# Altium PCB 2-quilter-output.PcbDoc (part 3 of 26) (continued)
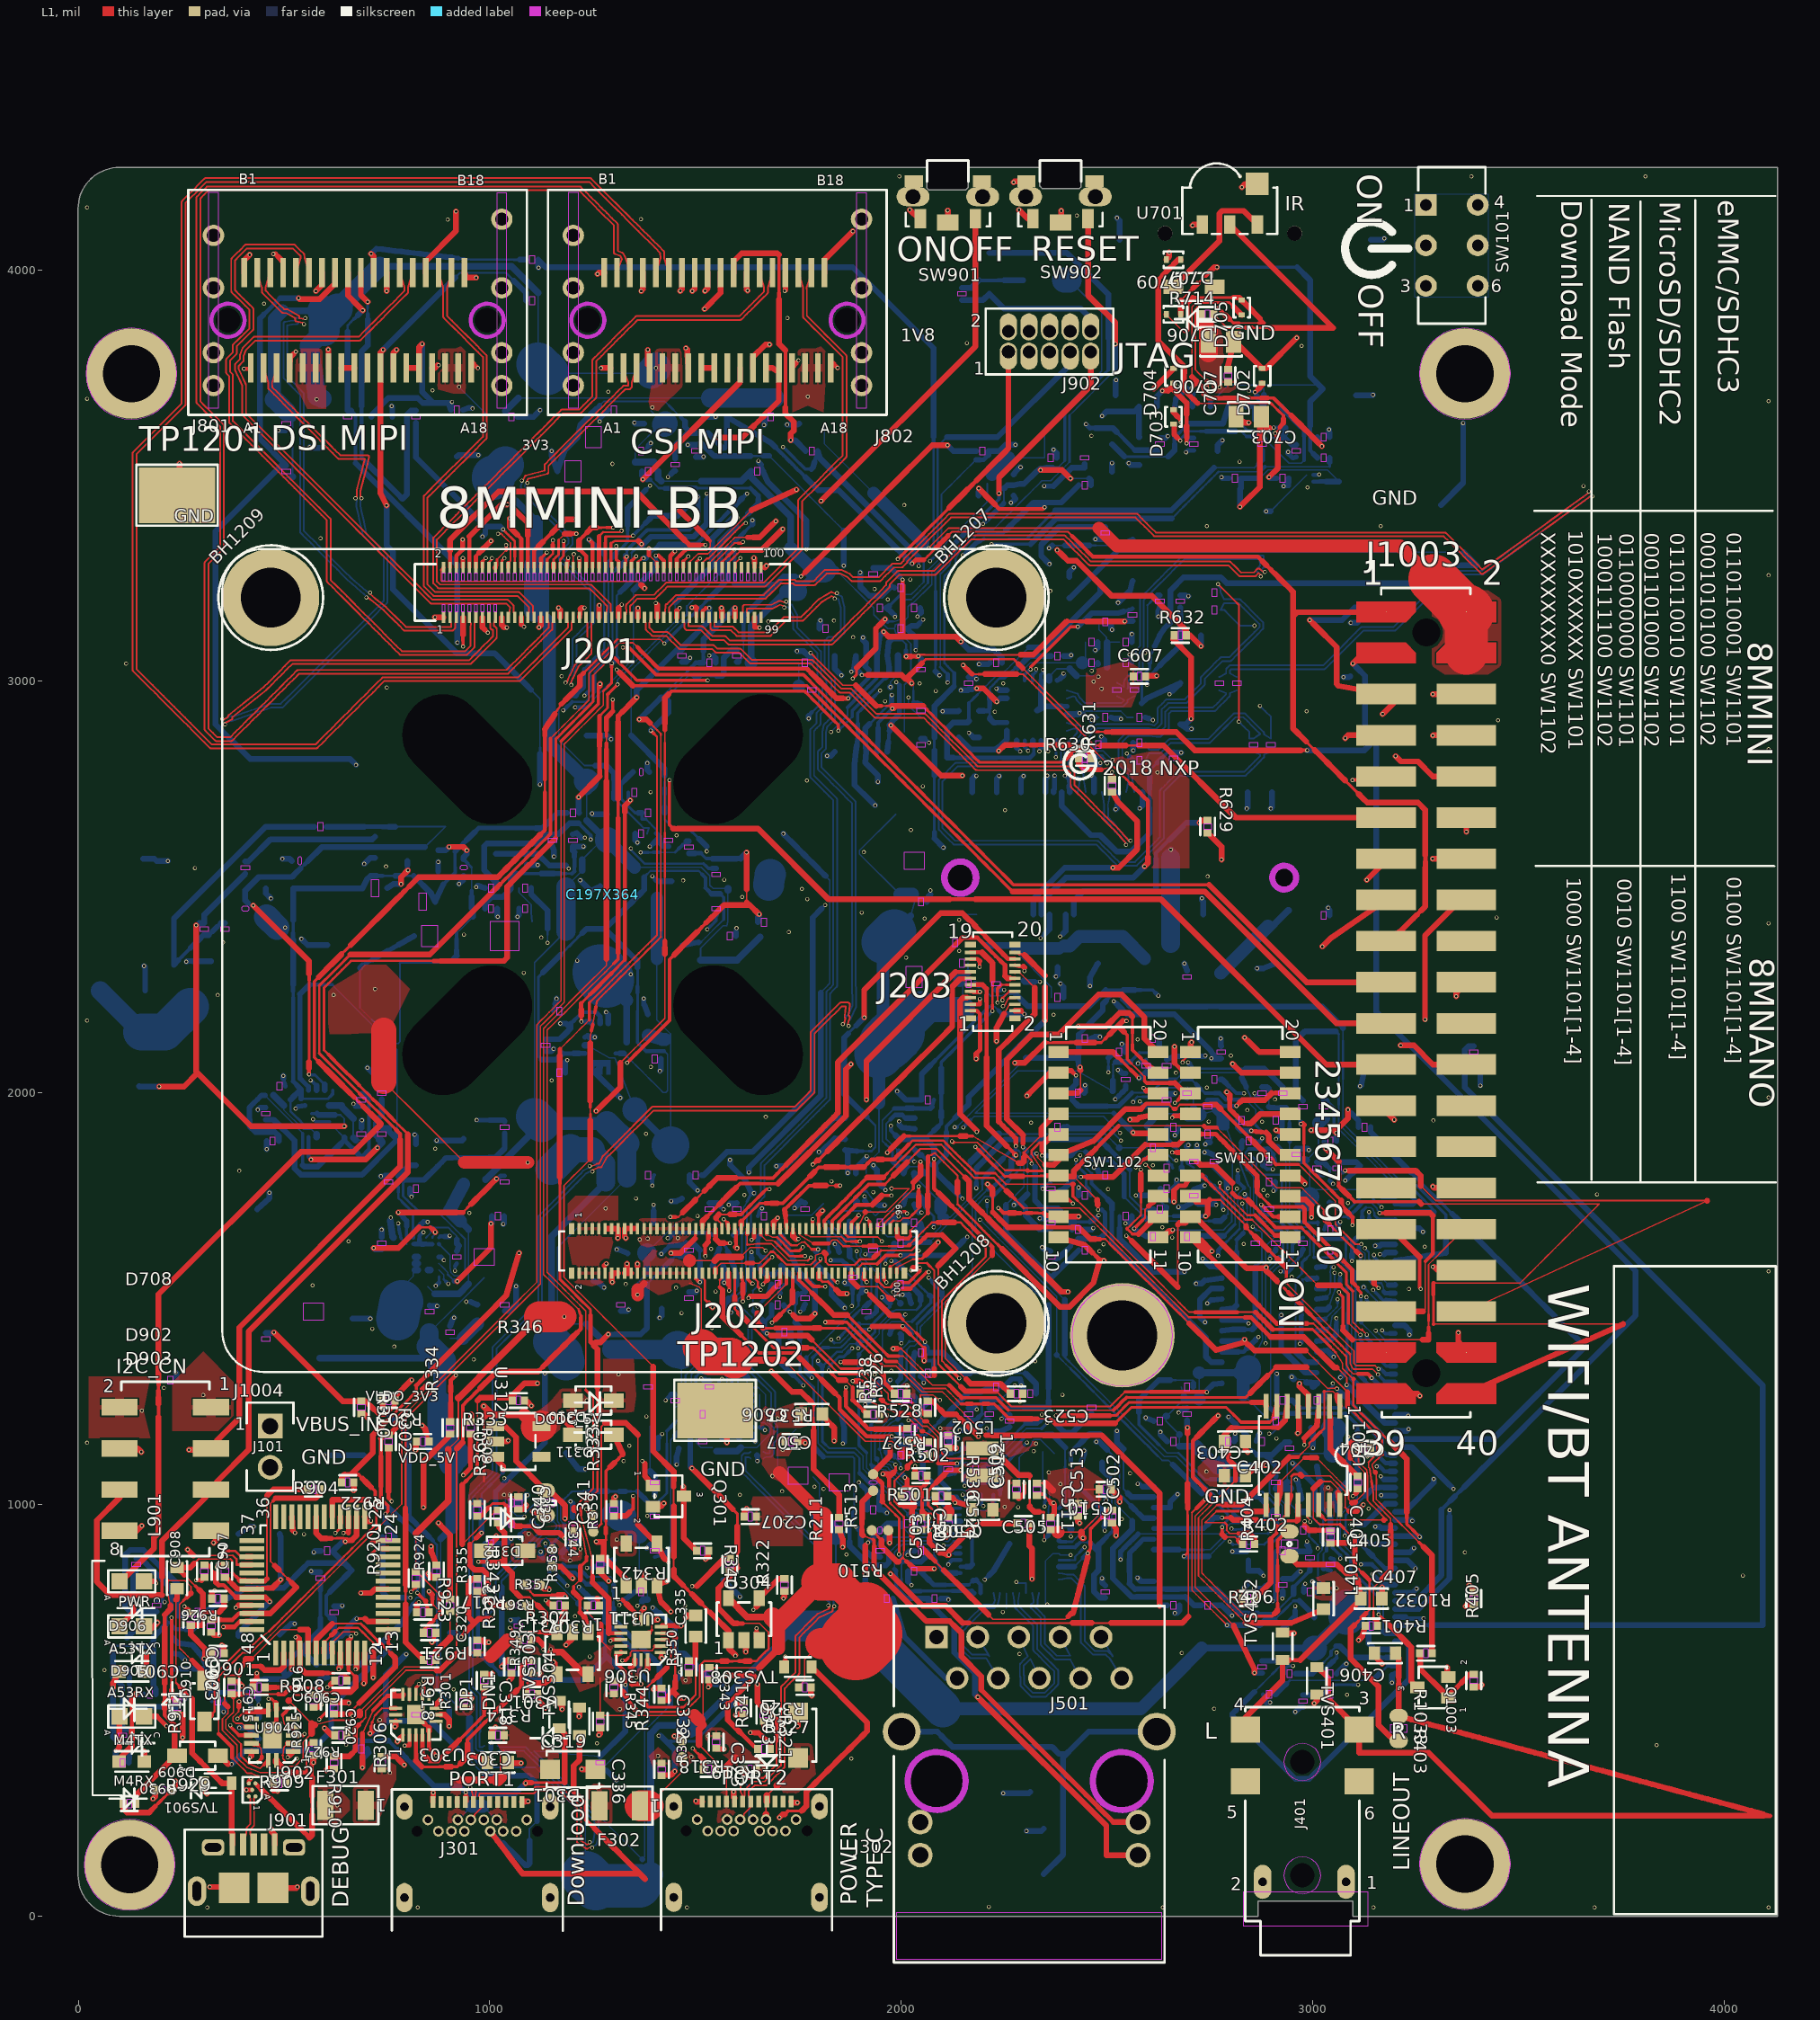
[diagram p0: L1 view]
## Nets (pads, with @x,y where several pads share a name; then routed paths per layer and width w, separated by ;. In a path a pad name is that pad's centre, name@x,y a point inside that pad or via, vN(x,y) a via of type N, cw(c..) or ccw(c..) an arc to the next point about the centre after c; other vN are vias at no path point) (continued)
  L3 w7.92: 2677.16,2080.6 v1(2684.16,2073.59)
  L3 w8.94: v1(1642.19,3299.93) 1653.17,3298.57 ; 1664.15,3297.2 1675.14,3295.84 ; 2211.93,2616.75 2222.91,2605.77 2233.89,2594.79 2244.87,2583.82 2255.84,2572.84 2266.82,2561.86 2277.8,2550.88 2288.78,2539.91 2299.76,2528.93 2310.73,2517.95 2321.71,2506.97 2332.69,2495.99 2343.67,2485.02 2354.64,2474.04 2365.62,2463.06 2376.6,2452.08 2387.58,2441.11 2398.56,2430.13 2409.53,2419.15 2420.51,2408.17 2431.49,2397.19 2442.47,2386.22 2453.44,2375.24 2464.42,2364.26 2475.4,2353.28 2486.38,2342.3 2497.36,2331.33 2508.33,2320.35 2519.31,2309.37 2530.29,2298.39 2541.27,2287.42 2552.24,2276.44 2563.22,2265.46
  L3 w10.99: 1653.17,3298.57 1664.15,3297.2 ; v1(2425.15,1837.07) 2425.74,1837.07 2431.62,1831.19 ; 2563.22,2265.46 2574.2,2254.48
  L3 w12.01: 2451.01,1846.6 2459.41,1855.01
  L3 w14.05: 2459.41,1855.01 2467.82,1863.41 2476.23,1871.82 2483.58,1879.18 2483.58,2056.73 2514.46,2087.6 2670.15,2087.6 2677.16,2080.6 ; 2574.2,2254.48 2585.18,2243.5 2596.16,2232.53 2607.13,2221.55 2618.11,2210.57 2629.09,2199.59 2640.07,2188.62 2651.04,2177.64 2662.02,2166.66 2673,2155.68 2683.98,2144.7 2694.96,2133.73 v1(2705.93,2122.75)
  L8 w4.85: 2425.15,1825.95 v1(2425.15,1837.07)
  L8 w6.9: 2425.15,1825.95 2433.52,1817.59 2441.88,1809.23 2450.24,1800.86 2450.24,1786.03 2450.24,1771.2
  L8 w8.94: 2456.91,1764.53 R1104.1@2461.2,1750.24
  L8 w10.99: 2450.24,1771.2 2456.91,1764.53
BOOT_MODE1: J201.100 R1106.1 SW1101.2 | length 2216.3
  L1 w9.96: J201.100@1659.46,3276.42 1668.84,3276.42 ; 2664.42,2072.49 2674.34,2062.57 SW1101.2@2684.26,2052.65
  L1 w14.05: 1668.84,3276.42 v1(1673.01,3280.59) ; 2664.42,2072.49 2664.42,2100.89 v1(2664.42,2112.18) ; SW1101.2@2684.26,2052.65 SW1101.2@2703.63,2048.79
  L6 w4.85: 1813.88,3280.59 1829.53,3280.59 1839.72,3270.4 1849.91,3260.2 1860.1,3250.01 1870.29,3239.82 1880.48,3229.63 1890.67,3219.44 1900.87,3209.25 1911.06,3199.06 1921.25,3188.87 1931.44,3178.68 1941.63,3168.48 1954.09,3168.48 1966.55,3168.48 1979.01,3168.48 1991.48,3168.48
  L6 w6.9: 1991.48,3168.48 2002.5,3157.46 2013.53,3146.43 2024.56,3135.4 2035.58,3124.38 2046.61,3113.35 2057.64,3102.32 2068.66,3091.3 2079.69,3080.27 2090.72,3069.24 2101.74,3058.22
  L6 w7.92: v1(2580.71,1979.02) 2590.9,1989.2
  L6 w13.03: 2101.74,3058.22 2117.34,3058.22 2132.94,3058.22 2148.54,3058.22 2164.14,3058.22 2179.74,3058.22
  L6 w14.05: v1(1673.01,3280.59) 1688.66,3280.59 1704.31,3280.59 1719.97,3280.59 1735.62,3280.59 1751.27,3280.59 1766.92,3280.59 1782.57,3280.59 1798.22,3280.59 1813.88,3280.59 ; 2179.74,3058.22 2195.34,3058.22 2196.58,3056.98 2197.4,3056.17 2216.11,3056.17 2273.17,2999.11 2273.17,2445.04 2306.2,2412 2438.03,2411.99 2605.88,2244.14 ; 2590.9,1989.2 2601.08,1999.39 2611.27,2009.58 2621.46,2019.77 2631.65,2029.96 2641.84,2040.14 2641.84,2129.66 2659.76,2147.58 ; 2605.87,2244.13 2605.87,2201.47 2659.76,2147.58 ; v1(2664.42,2112.18) 2664.42,2142.92 2659.76,2147.58
  L8 w7.92: v1(2580.71,1979.02) 2591.56,1968.16
  L8 w9.96: 2620.86,1968.16 R1106.1@2635.51,1968.16
  L8 w12.01: 2606.21,1968.16 2620.86,1968.16
  L8 w14.05: 2591.56,1968.16 2606.21,1968.16 ; R1106.1@2635.51,1968.16 R1106.1@2645.5,1967.92
BT_DEV_WAKE: J601.20
BYPASS1: C318.2 U303.4 | length 318.7
  L1 w7.92: 874.96,375.91 885.12,386.07 ; 925.74,426.68 935.89,436.83 946.04,446.99 956.19,457.14 966.35,467.29 976.5,477.45 986.65,487.6
  L1 w8.94: 853.33,377.72 855.89,375.16 865.17,375.16 874.22,375.16 874.96,375.9 ; 986.65,487.6 986.65,502.65
  L1 w9.96: U303.4@836.51,439.33 836.52,424.39 836.52,409.46 836.52,394.54 844.92,386.13
  L1 w12.01: 885.12,386.07 895.28,396.22
  L1 w14.05: 844.92,386.13 853.33,377.72 ; 895.28,396.22 905.43,406.38 915.58,416.53 925.74,426.68 ; 986.65,502.65 986.65,517.7 986.65,532.75 986.65,547.8 C318.2@986.65,556.79
BYPASS2: C332.2 R327.2 U306.4 | length 515.8
  L1 w5.87: 1451.2,583.66 1451.2,598.88 1451.2,614.11 1451.2,629.34 1451.2,644.56 1451.2,659.79 1451.2,675.01
  L1 w9.96: U306.4@1417.4,686.9 1428.34,686.91 1439.31,686.91
  L1 w10.99: 1434.31,523.58 1434.31,536.31 1436.14,538.14 1444.32,546.32 ; 1451.2,568.43 1451.2,583.66
  L1 w12.01: v1(1633.26,444.78) 1643.47,444.78
  L1 w13.03: 1439.31,686.91 1445.25,680.96 1451.2,675.01 ; 1643.47,444.78 1653.69,444.78 1662.98,435.49 ; 1672.27,426.2 1681.56,416.91
  L1 w14.05: C332.2@1417.95,523.58 1434.31,523.58 ; 1451.2,568.43 1451.2,553.21 1444.32,546.32 1461.66,528.98 v1(1471.98,528.98) ; 1662.98,435.49 1672.27,426.2 ; R327.2@1681.56,405.51 1681.56,416.91
  L6 w10.99: 1482.5,518.45 1493.03,507.93 1503.55,497.4 1514.08,486.88 1524.6,476.35 1535.13,465.83
  L6 w12.01: v1(1471.98,528.98) 1482.5,518.45
  L6 w14.05: 1535.13,465.83 1545.65,455.3 1556.18,444.78 v1(1633.26,444.78)
CLKIN1: J201.94
CLKIN2: J201.96
CLKO1: J202.40 J802.B8 R803.2 | length 3162.1
  L1 w4.85: J202.40@1517.03,1550.68 1523.08,1544.64 1523.08,1528.93
  L1 w5.87: J202.40@1517.03,1550.68 J202.40@1517.02,1561.94 ; 1523.08,1528.93 1523.08,1513.22 1523.08,1497.51 1532.42,1488.17
  L1 w14.05: v1(1492.57,3948.22) 1498.5,3954.16 J802.B8@1498.51,3993.5 ; 1532.42,1488.17 v1(1541.75,1478.83)
  L3 w7.92: 1653.36,3612.87 1653.36,3628.27
  L3 w9.96: 1653.36,3628.27 1653.36,3643.67
  L3 w10.99: 1527.79,3923.23 1538.25,3912.77
  L3 w12.01: 1538.25,3912.77 1548.72,3902.31
  L3 w14.05: v1(1492.57,3948.22) 1517.55,3923.23 1527.79,3923.23 ; 1548.72,3902.31 1559.18,3891.84 1569.65,3881.38 1580.11,3870.91 1590.57,3860.45 1601.04,3849.99 1611.5,3839.52 1621.96,3829.06 1632.43,3818.59 1642.89,3808.13 1653.36,3797.67 1653.36,3782.27 1653.36,3766.87 1653.36,3751.47 1653.36,3736.07 1653.36,3720.67 1653.36,3705.27 1653.36,3689.87 1653.36,3674.47 1653.36,3659.07 1653.36,3643.67 ; v1(1653.36,3535.87) 1653.36,3551.27 1653.36,3566.67 1653.36,3582.07 1653.36,3597.47 1653.36,3612.87 ; v1(1770.34,3320.66) 1884.37,3206.63 ; v1(1883.22,3106.85) 1884.38,3108.01 1884.38,3206.62
  L6 w3.5: 1871.99,2629.59 1882.59,2640.18 1893.19,2650.78 1893.19,2666.21 1893.19,2681.64 1893.19,2697.07 1893.19,2712.5 1893.19,2727.92 1893.19,2743.35 1893.19,2758.78 1893.19,2774.21 1893.19,2789.64 1893.19,2805.06 1893.19,2820.49 1893.19,2835.92 1893.19,2851.35 1893.19,2866.78 1893.19,2882.2 1893.19,2897.63 1893.19,2913.06 1893.19,2928.49 1893.19,2943.92 1893.19,2959.34 1893.19,2974.77 1893.19,2990.2 1893.19,3005.63 1893.19,3021.06 1893.19,3036.48
  L6 w5.87: 1488.15,1610.42 1499.13,1621.4 1510.11,1632.38 1521.08,1643.36 1532.06,1654.34 1543.04,1665.31 1543.04,1678.26 1543.04,1691.2 1543.04,1704.14 1543.04,1717.08 1543.04,1730.02
  L6 w6.9: 1543.04,1730.02 1554,1740.98 1564.96,1751.94 1575.91,1762.89 1586.87,1773.85 1597.83,1784.81 1608.78,1795.76 1619.74,1806.72 v1(1630.12,1806.72)
  L6 w13.03: 1535.79,1484.79 v1(1541.75,1478.83)
  L6 w14.05: 1488.15,1610.42 1488.15,1585.93 1529.18,1544.9 1529.18,1491.41 1535.79,1484.79 ; v1(1713.7,2629.59) 1871.99,2629.59 ; v1(1883.22,3106.85) 1883.22,3046.45 1893.19,3036.48
  L8 w3.83: 1804.48,2243.7 1815.61,2254.82 1826.73,2265.94 1826.73,2281.61 1826.73,2297.27 1826.73,2312.93 1826.73,2328.59 1826.73,2344.26 1826.73,2359.92 1826.73,2375.58 1826.73,2391.25 1826.73,2406.91 1826.73,2422.57 1826.73,2438.24 1826.73,2453.9 1826.73,2469.56 1826.73,2485.22 1826.73,2500.89 1826.73,2516.55 1816.46,2526.83
  L8 w7.92: v1@1653.36,3533.24 v1(1653.36,3535.87) ; v1(1770.34,3320.66) 1770.34,3330.47
  L8 w8.94: 1659.97,3526.62 R803.2@1662.53,3518.08
  L8 w10.99: R803.2@1662.53,3518.08 R803.2@1664.94,3510.04
  L8 w13.03: v1@1653.36,3533.24 1659.97,3526.62
  L8 w14.05: v1(1630.12,1806.72) 1630.12,1818.63 1804.48,1992.99 1804.48,2243.7 ; R803.2@1664.94,3510.04 1676.63,3484.04 1770.34,3390.34 1770.34,3340.28 1770.34,3330.47 ; v1(1713.7,2629.59) 1723.97,2619.31 1734.25,2609.03 1744.52,2598.76 1754.8,2588.48 1765.08,2578.21 1775.35,2567.93 1785.63,2557.65 1795.9,2547.38 1806.18,2537.1 1816.46,2526.83
CLKOUT1: J201.64
CLKOUT2: J201.66
CSI_CK_N: J201.45 J802.A2 | length 1192.8
  L1 w4.28: v1(1078.01,3487.96) 1080.56,3486.83 1085.44,3497.89 1085.47,3497.94 1085.52,3498.05 1085.57,3498.16 1085.63,3498.27 1085.69,3498.37 1085.76,3498.48 1085.82,3498.58 1085.89,3498.68 1085.96,3498.78 1086.04,3498.88 1086.11,3498.97 1086.19,3499.07 1086.27,3499.16 1086.36,3499.24 1086.44,3499.33 1086.53,3499.41 1086.62,3499.5 1086.71,3499.58 1086.81,3499.65 1086.91,3499.73 1087.01,3499.8 1087.11,3499.87 1087.21,3499.93 1087.31,3500 1087.42,3500.06 1087.52,3500.12 1087.63,3500.17 1087.74,3500.23 1087.85,3500.28 1087.97,3500.32 1088.08,3500.37 1088.2,3500.41 1088.31,3500.44 1088.43,3500.48 1088.55,3500.51 1103.59,3504.32 1118.63,3508.14 1133.68,3511.95 1133.68,3525.04 1133.68,3525.14 1133.68,3525.27 1133.69,3525.39 1133.7,3525.51 1133.71,3525.63 1133.73,3525.75 1133.75,3525.87 1133.78,3525.99 1133.8,3526.11 1133.83,3526.23 1133.87,3526.35 1133.9,3526.46 1133.94,3526.58 1133.98,3526.69 1134.03,3526.81 1134.07,3526.92 1134.13,3527.03 1134.18,3527.14 1134.24,3527.25 1134.3,3527.35 1134.36,3527.46 1134.42,3527.56 1134.49,3527.66 1134.56,3527.76 1134.63,3527.86 1134.71,3527.95 1134.79,3528.05 1134.87,3528.14 1134.95,3528.23 1135.04,3528.32 1147.63,3540.91 1160.23,3553.51 1172.83,3566.11 1185.42,3578.7 1198.02,3591.3 1210.62,3603.9 1223.21,3616.49 1235.81,3629.09 1248.41,3641.69 1261,3654.28 1273.6,3666.88 1286.2,3679.48 1298.79,3692.07 1311.39,3704.67 1323.98,3717.27 1324.06,3717.34 1324.15,3717.42 1324.24,3717.51 1324.34,3717.58 1324.43,3717.66 1324.53,3717.73 1324.63,3717.8 1324.73,3717.87 1324.83,3717.94 1324.94,3718 1325.04,3718.06 1325.15,3718.12 1325.26,3718.17 1325.37,3718.22 1325.48,3718.27 1325.6,3718.32 1325.71,3718.36 1325.83,3718.4 1325.94,3718.43 1326.06,3718.47 1326.18,3718.5 1326.3,3718.52 1326.42,3718.55 1326.54,3718.57 1326.66,3718.59 1326.78,3718.6 1326.9,3718.61 1327.02,3718.62 1327.14,3718.62 1327.27,3718.63 1336.23,3718.63 1336.43,3718.82 1336.38,3725.68 1330.83,3743.45 J802.A2@1325.28,3761.22 ; v1(1184.46,2996.63) 1187.04,2995.59 1190.67,3004.69 1194.3,3013.78 1194.34,3013.87 1194.38,3013.98 1194.44,3014.09 1194.49,3014.2 1194.55,3014.3 1194.61,3014.41 1194.67,3014.51 1194.74,3014.62 1194.81,3014.72 1194.88,3014.82 1194.95,3014.91 1195.03,3015.01 1195.11,3015.1 1195.19,3015.19 1195.27,3015.28 1195.36,3015.37 1195.45,3015.45 1195.54,3015.54 1195.63,3015.62 1195.72,3015.69 1195.82,3015.77 1195.92,3015.84 1196.02,3015.91 1196.12,3015.98 1196.22,3016.04 1196.33,3016.1 1196.44,3016.16 ; 1196.47,3016.18 1201.8,3027.8 1207.13,3039.43 1207.16,3039.49 1207.21,3039.6 1207.27,3039.7 1207.33,3039.81 1207.39,3039.92 1207.45,3040.02 1207.52,3040.12 1207.59,3040.22 1207.66,3040.32 1207.74,3040.41 1207.82,3040.51 1207.9,3040.6 1207.98,3040.69 1208.07,3040.78 1217.99,3050.7 1227.92,3060.63 1237.84,3070.55 1237.84,3084.97 1237.84,3099.4 1237.84,3113.82 1237.84,3128.24 1237.51,3141.02 J201.45@1234.26,3155.16
  L8 w4.28: v1(1078.01,3487.96) 1080.56,3486.83 1075.67,3475.77 1075.63,3475.66 1075.58,3475.55 1075.54,3475.43 1075.5,3475.32 1075.46,3475.2 1075.43,3475.08 1075.4,3474.97 1075.38,3474.85 1075.35,3474.73 1075.33,3474.61 1075.31,3474.49 1075.3,3474.36 1075.29,3474.24 1075.28,3474.12 1075.28,3474 1075.28,3473.88 1075.28,3473.76 1075.29,3473.63 1075.29,3473.51 1075.31,3473.39 1075.32,3473.27 1075.34,3473.15 1075.36,3473.03 1075.38,3472.91 1075.41,3472.79 1075.44,3472.67 1075.48,3472.56 1075.51,3472.44 1075.55,3472.32 1075.6,3472.21 1075.64,3472.1 1075.69,3471.99 1075.74,3471.87 1075.8,3471.77 1075.82,3471.71 1082.8,3458.64 1082.86,3458.54 1082.92,3458.43 ; 1082.95,3458.39 1089.46,3447.84 1089.52,3447.74 1089.59,3447.64 1089.66,3447.54 1089.74,3447.44 1089.81,3447.35 1089.89,3447.25 1089.97,3447.16 1090.05,3447.07 1090.14,3446.99 1090.23,3446.9 1090.32,3446.82 1090.41,3446.74 1090.5,3446.66 1090.6,3446.59 1090.7,3446.51 1090.8,3446.44 1090.9,3446.38 1091,3446.31 1091.11,3446.25 1091.22,3446.19 1091.32,3446.14 1091.43,3446.08 1091.54,3446.03 1091.66,3445.99 1091.77,3445.94 1091.88,3445.9 1092,3445.86 1092.09,3445.83 1104.56,3433.37 1117.02,3420.9 1129.48,3408.44 1141.95,3395.98 1154.41,3383.51 1166.88,3371.05 1179.34,3358.58 1191.8,3346.12 1191.8,3335.94 1180.69,3324.83 1169.58,3313.71 1169.49,3313.63 1169.41,3313.54 1169.33,3313.44 1169.25,3313.35 1169.17,3313.25 1169.1,3313.16 1169.03,3313.06 1168.96,3312.96 1168.9,3312.85 1168.84,3312.75 1168.78,3312.64 1168.72,3312.53 1168.67,3312.42 1168.62,3312.31 1168.57,3312.2 1168.52,3312.09 1168.48,3311.97 1168.44,3311.86 1168.41,3311.74 1168.37,3311.62 1168.34,3311.5 1168.32,3311.39 1168.29,3311.27 1168.27,3311.15 1168.26,3311.03 1168.24,3310.9 1168.23,3310.78 1168.22,3310.66 1168.22,3310.54 1168.22,3310.43 1168.22,3296.44 1168.22,3296.32 1168.22,3296.2 1168.23,3296.08 1168.24,3295.96 1168.26,3295.84 1168.28,3295.72 1168.3,3295.6 1168.32,3295.48 1168.35,3295.36 1168.38,3295.24 1168.41,3295.12 1168.45,3295.01 1168.49,3294.89 1168.53,3294.78 1168.57,3294.66 1168.62,3294.55 1168.67,3294.44 1168.73,3294.33 1168.78,3294.22 1168.84,3294.12 1168.91,3294.01 1168.97,3293.91 1169.04,3293.81 1169.11,3293.71 1169.18,3293.61 1169.26,3293.51 1169.34,3293.42 1169.42,3293.33 1169.5,3293.24 1169.58,3293.16 1182.22,3280.52 1194.85,3267.89 1207.49,3255.25 1220.13,3242.61 1232.77,3229.97 1245.41,3217.33 1245.41,3199.8 1245.41,3182.27 1245.41,3164.74 1245.41,3147.22 1234.79,3136.6 1224.17,3125.98 1213.55,3115.36 1202.94,3104.74 1202.85,3104.65 1202.77,3104.56 1202.69,3104.47 1202.61,3104.38 1202.53,3104.28 1202.46,3104.18 1202.39,3104.09 1202.32,3103.98 1202.26,3103.88 1202.2,3103.78 1202.14,3103.67 1202.08,3103.56 1202.03,3103.45 1201.97,3103.34 1201.93,3103.23 1201.88,3103.12 1201.84,3103 1201.8,3102.89 1201.77,3102.77 1201.73,3102.65 1201.7,3102.53 1201.68,3102.41 1201.65,3102.29 1201.63,3102.17 1201.61,3102.05 1201.6,3101.93 1201.59,3101.81 1201.58,3101.69 1201.58,3101.57 1201.58,3101.46 1201.58,3085.62 1201.58,3069.78 1201.58,3053.94 1201.58,3038.1 1197.44,3026.01 1193.31,3013.93 1193.27,3013.81 1193.23,3013.69 1193.2,3013.58 1193.17,3013.46 1193.15,3013.34 1193.13,3013.22 1193.11,3013.1 1193.09,3012.98 1193.08,3012.86 1193.07,3012.73 1193.06,3012.61 1193.06,3012.49 1193.06,3012.37 1193.06,3012.25 1193.07,3012.13 1193.08,3012 1193.09,3011.88 1193.11,3011.76 1193.12,3011.64 1193.15,3011.52 1193.17,3011.4 1193.2,3011.28 1193.23,3011.16 1187.04,2995.59 v1(1184.46,2996.63)
CSI_CK_P: J201.47 J802.A3 | length 1200.6
  L1 w4.28: v1(1091.59,3481.95) 1089.05,3483.08 1093.02,3492.07 1108.5,3495.99 1123.98,3499.92 1139.46,3503.84 1139.57,3503.88 1139.69,3503.91 1139.81,3503.95 1139.92,3503.99 1140.04,3504.03 1140.15,3504.08 1140.26,3504.13 1140.37,3504.18 1140.48,3504.24 1140.59,3504.3 1140.69,3504.36 1140.8,3504.42 1140.9,3504.49 1141,3504.56 1141.1,3504.63 1141.19,3504.7 1141.29,3504.78 1141.38,3504.86 1141.47,3504.94 1141.56,3505.02 1141.65,3505.11 1141.73,3505.2 1141.81,3505.29 1141.89,3505.38 1141.97,3505.48 1142.04,3505.57 1142.11,3505.67 1142.18,3505.77 1142.25,3505.88 1142.31,3505.98 1142.37,3506.09 1142.43,3506.19 1142.48,3506.3 1142.54,3506.41 1142.59,3506.52 1142.63,3506.64 1142.68,3506.75 1142.72,3506.87 1142.75,3506.98 1142.79,3507.1 1142.82,3507.22 1142.85,3507.34 1142.87,3507.46 1142.89,3507.58 1142.91,3507.7 1142.93,3507.82 1142.94,3507.94 1142.95,3508.06 1142.95,3508.18 1142.96,3508.3 ; 1142.96,3508.34 1142.96,3523.11 1156.26,3536.42 1169.56,3549.72 1182.86,3563.02 1196.17,3576.32 1209.47,3589.63 1222.77,3602.93 1236.07,3616.23 1249.37,3629.53 1262.68,3642.83 1275.98,3656.14 1289.28,3669.44 1302.58,3682.74 1315.89,3696.04 1329.19,3709.35 1338.16,3709.35 1338.29,3709.35 1338.41,3709.35 1338.53,3709.36 1338.65,3709.37 1338.77,3709.39 1338.89,3709.4 1339.01,3709.42 1339.13,3709.45 1339.25,3709.48 1339.37,3709.51 1339.49,3709.54 1339.6,3709.57 1339.72,3709.61 1339.83,3709.66 1339.95,3709.7 1340.06,3709.75 1340.17,3709.8 1340.28,3709.86 1340.39,3709.91 1340.49,3709.97 1340.6,3710.03 1340.7,3710.1 1340.8,3710.17 1340.9,3710.24 1341,3710.31 1341.09,3710.39 1341.19,3710.47 1341.28,3710.55 1341.37,3710.63 1341.46,3710.72 1344.37,3713.65 1344.45,3713.73 1344.54,3713.82 1344.62,3713.91 1344.69,3714.01 1344.77,3714.11 1344.84,3714.2 1344.91,3714.3 1344.98,3714.4 1345.04,3714.51 1345.11,3714.61 1345.16,3714.72 1345.22,3714.83 1345.27,3714.94 1345.32,3715.05 1345.37,3715.16 1345.42,3715.27 1345.46,3715.39 1345.5,3715.5 1345.53,3715.62 1345.57,3715.74 1345.59,3715.86 1345.62,3715.98 1345.64,3716.1 1345.66,3716.22 1345.68,3716.34 1345.69,3716.46 1345.71,3716.58 1345.71,3716.7 1345.72,3716.82 1345.72,3716.94 1345.66,3725.74 1351.22,3743.48 J802.A3@1356.78,3761.22 ; v1(1198.25,2991.12) 1195.66,2992.15 1201.86,3007.69 1201.91,3007.72 1202.01,3007.78 1202.12,3007.85 1202.22,3007.92 1202.31,3007.99 1202.41,3008.07 1202.5,3008.14 1202.6,3008.22 1202.69,3008.3 1202.78,3008.39 1202.86,3008.48 1202.94,3008.56 1203.03,3008.66 1203.1,3008.75 1203.18,3008.84 1203.25,3008.94 1203.33,3009.04 1203.39,3009.14 1203.46,3009.24 1203.52,3009.35 1203.58,3009.45 1203.64,3009.56 1203.7,3009.67 1203.74,3009.76 1209.48,3022.28 1215.22,3034.8 1225.4,3044.99 1235.58,3055.17 1245.76,3065.35 1245.85,3065.44 1245.93,3065.53 1246.01,3065.62 1246.09,3065.71 1246.17,3065.81 1246.24,3065.91 1246.31,3066.01 1246.38,3066.11 1246.44,3066.21 1246.5,3066.32 1246.56,3066.42 1246.62,3066.53 1246.67,3066.64 1246.72,3066.75 1246.77,3066.86 1246.82,3066.98 1246.86,3067.09 1246.9,3067.21 1246.93,3067.32 1246.97,3067.44 1247,3067.56 1247.02,3067.68 1247.05,3067.8 1247.07,3067.92 1247.09,3068.04 1247.1,3068.16 1247.11,3068.28 1247.12,3068.4 1247.12,3068.52 1247.12,3068.63 1247.12,3083.55 1247.12,3098.47 1247.12,3113.38 1247.12,3128.3 1247.12,3128.42 1246.78,3141.26 J201.47@1250.01,3155.16
  L8 w4.28: v1(1091.59,3481.95) 1089.05,3483.08 1085.07,3474.09 1090.92,3463.15 1096.31,3454.42 1096.41,3454.36 1096.52,3454.3 1096.63,3454.24 1096.73,3454.18 1096.83,3454.11 1096.93,3454.04 1097.03,3453.96 1097.12,3453.89 1097.22,3453.81 1097.31,3453.73 1097.4,3453.65 1097.49,3453.56 1110.27,3440.78 1123.05,3428 1135.83,3415.22 1148.61,3402.44 1161.39,3389.66 1174.17,3376.88 1186.95,3364.1 1199.73,3351.32 1199.8,3351.25 1199.88,3351.16 1199.96,3351.07 1200.04,3350.97 1200.12,3350.88 1200.19,3350.78 1200.26,3350.68 1200.33,3350.58 1200.4,3350.48 1200.46,3350.37 1200.52,3350.26 1200.57,3350.16 1200.63,3350.05 1200.68,3349.94 1200.73,3349.82 1200.77,3349.71 1200.82,3349.6 1200.86,3349.48 1200.89,3349.37 1200.93,3349.25 1200.96,3349.13 1200.98,3349.01 1201.01,3348.89 1201.03,3348.77 1201.04,3348.65 1201.06,3348.53 1201.07,3348.41 1201.08,3348.29 1201.08,3348.16 1201.08,3348.04 1201.08,3334.02 1201.08,3333.91 1201.08,3333.79 1201.07,3333.67 1201.06,3333.55 1201.05,3333.42 1201.03,3333.3 1201.01,3333.18 1200.99,3333.06 1200.96,3332.95 1200.93,3332.83 1200.9,3332.71 1200.86,3332.59 1200.82,3332.48 1200.78,3332.36 1200.73,3332.25 1200.69,3332.14 1200.63,3332.03 1200.58,3331.92 1200.52,3331.81 1200.47,3331.7 1200.4,3331.6 1200.34,3331.49 1200.27,3331.39 1200.2,3331.29 1200.13,3331.2 1200.05,3331.1 1199.97,3331.01 1199.89,3330.91 1199.81,3330.82 1199.73,3330.74 1188.61,3319.62 1177.5,3308.51 1177.5,3298.37 1190.14,3285.73 1202.78,3273.09 1215.42,3260.45 1228.05,3247.81 1240.69,3235.17 1253.33,3222.53 1253.41,3222.45 1253.49,3222.37 1253.57,3222.27 1253.65,3222.18 1253.73,3222.08 1253.8,3221.99 1253.87,3221.89 1253.94,3221.79 1254,3221.68 1254.07,3221.58 1254.13,3221.47 1254.18,3221.36 1254.24,3221.26 1254.29,3221.14 1254.34,3221.03 1254.38,3220.92 1254.42,3220.81 1254.46,3220.69 1254.5,3220.57 1254.53,3220.46 1254.56,3220.34 1254.59,3220.22 1254.61,3220.1 1254.63,3219.98 1254.65,3219.86 1254.67,3219.74 1254.68,3219.62 1254.69,3219.49 1254.69,3219.37 1254.69,3219.25 1254.69,3200.76 1254.69,3182.27 1254.69,3163.78 1254.69,3145.29 1254.69,3145.19 1254.69,3145.07 1254.68,3144.94 1254.67,3144.82 1254.65,3144.7 1254.64,3144.58 1254.62,3144.46 1254.59,3144.34 1254.57,3144.22 1254.54,3144.1 1254.5,3143.99 1254.47,3143.87 1254.43,3143.75 1254.39,3143.64 1254.34,3143.53 1254.29,3143.41 1254.24,3143.3 1254.19,3143.19 1254.13,3143.09 1254.07,3142.98 1254.01,3142.87 1253.95,3142.77 1253.88,3142.67 1253.81,3142.57 1253.73,3142.47 1253.66,3142.38 1253.58,3142.28 1253.5,3142.19 1253.42,3142.1 1253.33,3142.01 1242.71,3131.39 1232.09,3120.78 1221.48,3110.16 1210.86,3099.54 1210.86,3083.99 1210.86,3068.43 1210.86,3052.88 1210.86,3037.33 1210.86,3037.27 1210.85,3037.14 1210.85,3037.02 1210.84,3036.9 1210.82,3036.78 1210.81,3036.66 1210.79,3036.54 1210.77,3036.42 1210.74,3036.3 1210.71,3036.18 1210.68,3036.06 1210.64,3035.95 1210.61,3035.83 1206.8,3024.7 1203,3013.58 ; v1(1198.25,2991.12) 1195.66,2992.15 1199.29,3001.25 1202.92,3010.34 1202.96,3010.46 1203,3010.57 1203.04,3010.69 1203.08,3010.8 1203.11,3010.92 1203.14,3011.04 1203.16,3011.16 1203.18,3011.28 1203.2,3011.4 1203.22,3011.52 1203.23,3011.64 1203.24,3011.76 1203.25,3011.89 1203.25,3012.01 1203.25,3012.13 1203.25,3012.25 1203.24,3012.37 1203.23,3012.49 1203.22,3012.62 1203.2,3012.74 1203.18,3012.86 1203.16,3012.98 1203.13,3013.1 1203.1,3013.21 1203.07,3013.33 1203.04,3013.45 1203,3013.56
CSI_D0_N: J201.33 J802.B2 | length 3473.8
  L1 w4.28: J201.33@1139.77,3155.16 1143.02,3141.15 1142.99,3129.78 1130.21,3117.01 1117.43,3104.23 1104.65,3091.45 1091.88,3078.67 1079.1,3065.89 1066.32,3053.11 1053.54,3040.34 1040.76,3027.56 1022.02,3027.56 1003.28,3027.56 984.53,3027.56 965.79,3027.56 947.05,3027.56 928.3,3027.56 909.56,3027.56 890.82,3027.56 872.08,3027.56 853.33,3027.56 834.59,3027.56 815.85,3027.56 797.11,3027.56 778.36,3027.56 759.62,3027.56 740.88,3027.56 722.13,3027.56 703.39,3027.56 684.65,3027.56 665.91,3027.56 647.16,3027.56 628.42,3027.56 609.68,3027.56 590.93,3027.56 572.19,3027.56 553.45,3027.56 534.71,3027.56 534.58,3027.56 534.46,3027.55 534.34,3027.54 534.22,3027.53 534.1,3027.52 533.98,3027.5 533.86,3027.48 533.74,3027.45 533.62,3027.43 533.5,3027.4 533.38,3027.36 533.27,3027.33 533.15,3027.29 533.04,3027.25 532.92,3027.2 532.81,3027.15 532.7,3027.1 532.59,3027.05 532.48,3026.99 532.38,3026.93 532.27,3026.87 532.17,3026.8 532.07,3026.73 531.97,3026.66 531.87,3026.59 531.78,3026.51 531.68,3026.44 531.59,3026.36 531.5,3026.27 531.42,3026.2 518.96,3013.73 506.49,3001.26 494.03,2988.8 481.56,2976.33 469.09,2963.87 456.63,2951.4 444.16,2938.93 431.69,2926.47 419.23,2914 406.76,2901.53 394.29,2889.07 381.83,2876.6 369.36,2864.13 353.56,2864.13 337.77,2864.13 327.09,2874.81 316.42,2885.48 316.42,2904.54 316.42,2923.59 316.42,2942.65 316.42,2961.71 316.42,2980.76 316.42,2999.82 316.42,3018.87 316.42,3037.93 316.42,3056.98 316.42,3076.04 316.42,3095.09 316.42,3114.15 316.42,3133.21 316.42,3152.26 316.42,3171.32 316.42,3190.37 316.42,3209.43 316.42,3228.48 316.42,3247.54 316.42,3266.6 316.42,3285.65 328.43,3297.67 340.45,3309.68 352.46,3321.7 352.55,3321.79 352.63,3321.88 352.71,3321.97 352.79,3322.06 352.86,3322.16 352.94,3322.25 353.01,3322.35 353.08,3322.46 353.14,3322.56 353.2,3322.66 353.26,3322.77 353.32,3322.88 353.37,3322.99 353.42,3323.1 353.47,3323.21 353.52,3323.32 353.56,3323.44 353.6,3323.55 353.63,3323.67 353.67,3323.79 353.7,3323.91 353.72,3324.02 353.75,3324.14 353.77,3324.26 353.78,3324.39 353.8,3324.51 353.81,3324.63 353.82,3324.75 353.82,3324.87 353.82,3324.98 353.82,3343.5 353.82,3362.02 353.82,3380.54 353.82,3399.06 353.82,3417.58 353.82,3436.1 353.82,3454.62 353.82,3473.14 353.82,3491.66 353.82,3510.18 353.82,3528.7 353.82,3547.22 353.82,3565.74 353.82,3584.27 353.82,3602.79 353.82,3621.31 353.82,3621.43 353.81,3621.55 353.81,3621.67 353.8,3621.79 353.78,3621.91 353.76,3622.03 353.74,3622.16 353.72,3622.27 353.69,3622.39 353.66,3622.51 353.63,3622.63 353.59,3622.75 353.55,3622.86 353.51,3622.98 353.47,3623.09 353.42,3623.2 353.37,3623.31 353.31,3623.42 353.25,3623.53 353.19,3623.63 353.13,3623.74 353.07,3623.84 353,3623.94 352.93,3624.04 352.86,3624.14 352.78,3624.24 352.7,3624.33 352.62,3624.42 352.54,3624.51 352.46,3624.59 341.28,3635.77 330.09,3646.96 318.91,3658.14 307.72,3669.33 296.54,3680.51 296.54,3699.45 296.54,3718.39 296.54,3737.33 296.54,3756.27 296.54,3775.2 296.54,3794.14 296.54,3813.08 296.54,3832.02 296.54,3850.96 296.54,3869.9 296.54,3888.83 296.54,3907.77 296.54,3926.71 296.54,3945.65 296.54,3964.59 296.54,3983.52 296.54,4002.46 296.54,4021.4 296.54,4040.34 296.54,4059.28 296.54,4078.21 296.54,4097.15 296.54,4116.09 296.54,4135.03 296.54,4153.97 296.54,4172.91 306.68,4183.05 316.83,4193.2 335.57,4193.2 354.32,4193.2 373.07,4193.2 391.82,4193.2 410.56,4193.2 429.31,4193.2 448.06,4193.2 466.81,4193.2 485.55,4193.2 504.3,4193.2 523.05,4193.2 541.8,4193.2 560.54,4193.2 579.29,4193.2 598.04,4193.2 616.79,4193.2 635.53,4193.2 654.28,4193.2 673.03,4193.2 691.78,4193.2 710.52,4193.2 729.27,4193.2 748.02,4193.2 766.77,4193.2 785.52,4193.2 804.26,4193.2 823.01,4193.2 841.76,4193.2 860.51,4193.2 879.25,4193.2 898,4193.2 916.75,4193.2 935.5,4193.2 954.24,4193.2 972.99,4193.2 991.74,4193.2 1010.49,4193.2 1029.23,4193.2 1047.98,4193.2 1066.73,4193.2 1085.48,4193.2 1104.22,4193.2 1122.97,4193.2 1141.72,4193.2 1160.47,4193.2 1179.21,4193.2 1197.96,4193.2 1216.71,4193.2 1228.91,4181 1241.11,4168.8 1253.31,4156.6 1265.51,4144.4 1277.71,4132.2 1289.91,4120 1302.11,4107.8 1302.11,4091.43 1302.11,4075.06 1302.11,4058.69 1302.11,4042.33 1302.11,4042.21 1302.11,4042.08 1302.12,4041.96 1302.13,4041.84 1302.15,4041.72 1302.17,4041.6 1302.19,4041.48 1302.21,4041.36 1302.24,4041.24 1302.27,4041.12 1302.3,4041 1302.34,4040.89 1302.38,4040.77 1302.42,4040.66 1302.46,4040.54 1302.51,4040.43 1302.56,4040.32 1302.62,4040.21 1302.67,4040.11 1302.73,4040 1302.8,4039.89 1302.86,4039.79 1302.93,4039.69 1303,4039.59 1303.07,4039.49 1303.15,4039.4 1303.23,4039.3 1303.31,4039.21 1303.39,4039.12 1303.48,4039.04 1303.57,4038.95 1303.66,4038.87 1303.75,4038.79 1303.84,4038.71 1303.94,4038.64 1304.04,4038.56 1304.13,4038.49 1304.24,4038.43 1304.34,4038.36 1304.44,4038.3 1304.55,4038.24 1304.66,4038.18 1304.77,4038.13 1304.88,4038.08 1304.99,4038.03 1305.11,4037.99 1305.22,4037.95 ; 1305.25,4037.94 1316.9,4033.95 1321.3,4026.63 1315.42,4010.07 J802.B2@1309.54,3993.5